# Altium PCB PowerBoard.PcbDoc (part 3 of 4) (continued)
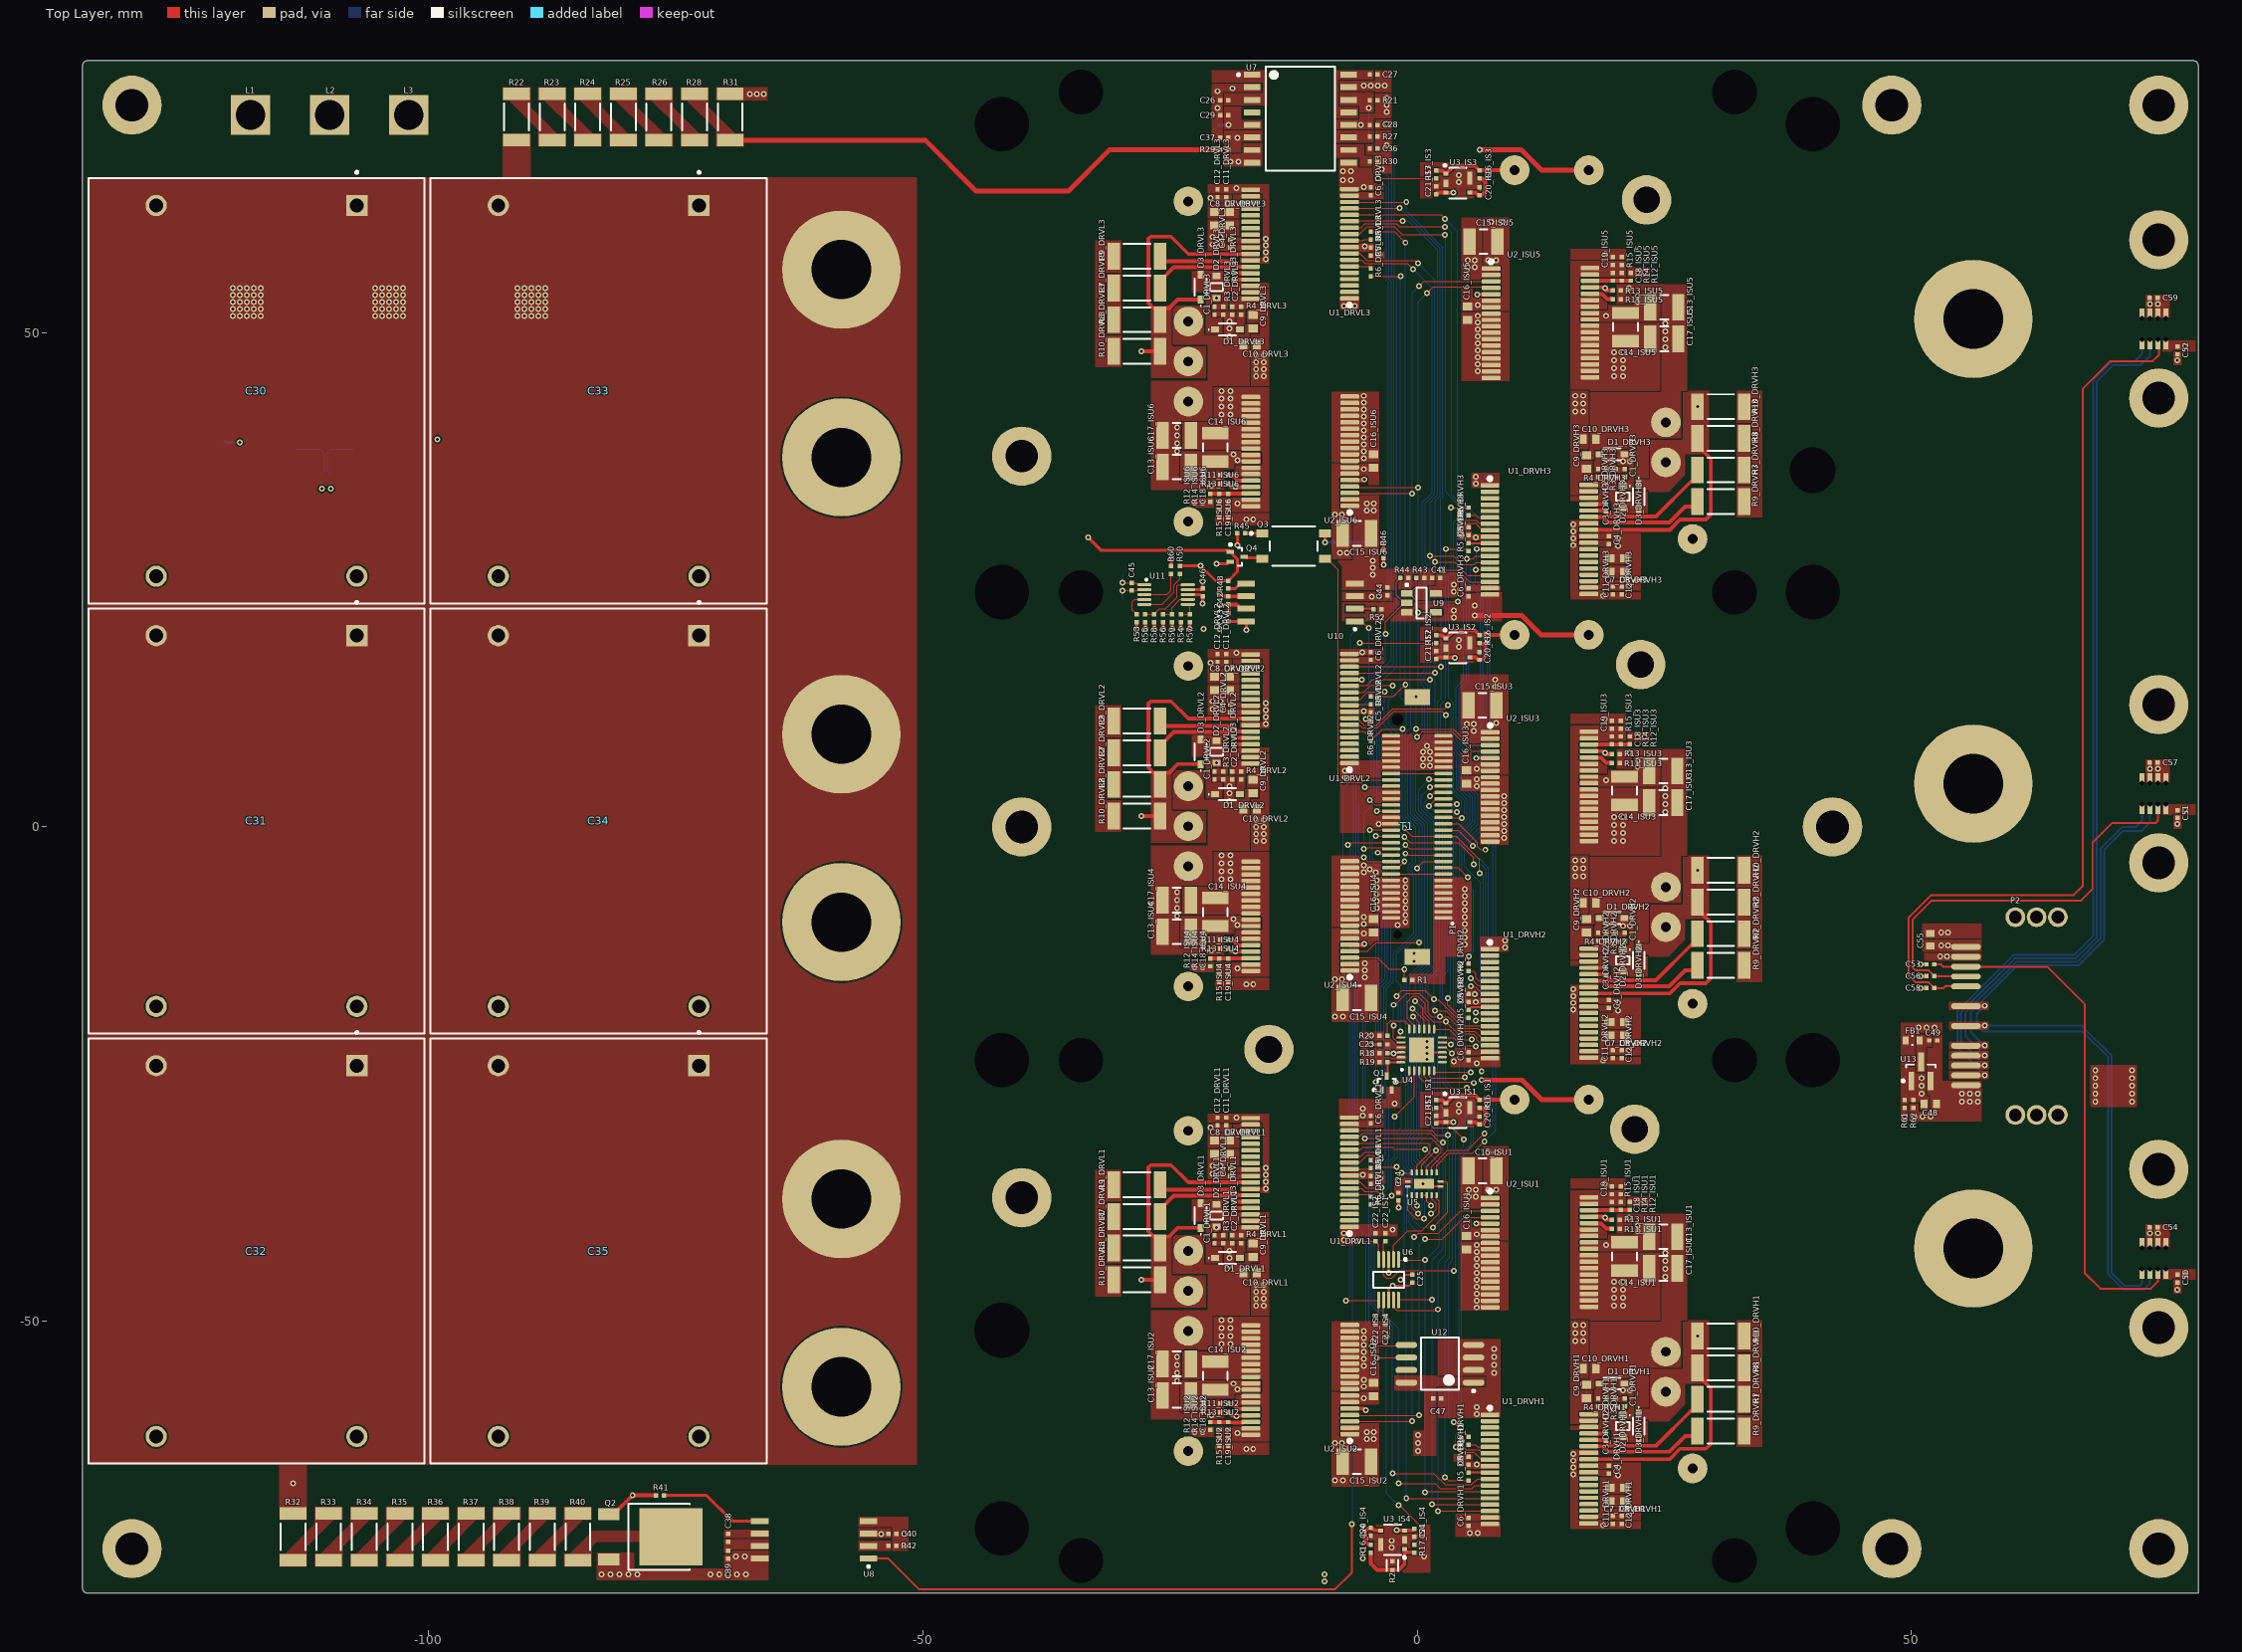
[diagram p0: Top Layer view]
## Nets (pads, with @x,y where several pads share a name; then routed paths per layer and width w, separated by ;. In a path a pad name is that pad's centre, name@x,y a point inside that pad or via, vN(x,y) a via of type N, cw(c..) or ccw(c..) an arc to the next point about the centre after c; other vN are vias at no path point) (continued)
  Bottom Layer w0.12: v1(2.8,60.7) 2.9,60.7 3.5,60.1 3.5,33.603 5.3,31.803 5.3,28.8 v1(6,28.1) 6,26.9 5.39,26.29 5.39,24.81 6.67,23.53 6.67,8.712 7.32,8.062 7.32,-1.858 6.9,-2.278 v1(6.9,-2.3)
RCT_DELAY: R56.1 R59.2 U11.7 | length 3.5
  Top Layer w0.12: R56.1@-25.7,21.5 R59.2@-24.8,21.5 -24.8,22.175 -23.975,23 U11.7@-23.2,23
RCT_HYS: R55.1 R58.2 U11.10 | length 6.2
  Top Layer w0.12: R55.1@-27.5,21.5 R58.2@-26.6,21.5 -26.05,22.05 -25.45,22.05 -24.3,23.2 -24.3,24.4 -24.2,24.5 U11.10@-23.2,24.5
RCT_LATCH: R54.1 R57.2 U11.6 | length 2.1
  Top Layer w0.12: R54.1@-23.9,21.5 R57.2@-23,21.5 -23,22.5 U11.6@-23.2,22.5
RECT_VDDH: C42.1 RFVH.1 U10.6 | length 2.8
  Top Layer w0.4: v1(-20,23.6) -19.946,23.6 -19.671,23.325 -19.09,23.325 -19.082,23.317 -17.353,23.317 -17.335,23.3 U10.6@-17.3,23.335
RECT_VDDM: C42.2 C43.1 C46.1 R45.1 R53.1 R54.2 R55.2 R56.2 RFVM.1 U10.7 U11.9 | length 10.1
  Top Layer w0.3: v1(-28.4,20) R53.1@-28.4,20.7 ; v1(-27.5,20) R55.2@-27.5,20.7 ; v1(-25.7,20) R56.2@-25.7,20.7 ; v1(-23.9,20) R54.2@-23.9,20.7 ; U11.9@-23.2,24 -21.8,24 C46.1@-21.7,24.1 v1(-21.7,24.8) ; v1(-20,22.5) C42.2@-19.1,22.5 ; v1(-18.2,28.5) R45.1@-18.2,29.7
  Top Layer w0.4: C43.1@-19.1,21.6 C42.2@-19.1,22.5 -18.275,22.5 -18,22.225 -18,22.165 -17.9,22.065 U10.7@-17.3,22.065
  other v1: -21.6,20
RECT_VSSS: C43.2 C46.2 D7.3 D8.3 D9.3 Q4.2 R47.2 R49.2 R57.1 R58.1 R59.1 R60.2 RFVS.1 U10.8 U11.8 | length 90
  Top Layer w0.3: v1(-26.6,20) R58.1@-26.6,20.7 ; R60.2@-24.9,26.4 v1(-24.9,27.1) ; v1(-24.8,20) R59.1@-24.8,20.7 ; U11.8@-23.2,23.5 -21.9,23.5 C46.2@-21.7,23.3 v1(-21.7,22.6) ; v1(-23,20) R57.1@-23,20.7 ; v1(-20.3,26.6) -20.275,26.625 -19.175,26.625 Q4.2@-19.15,26.65 ; C43.2@-19.1,20.8 -19.098,20.797 -17.302,20.797 U10.8@-17.3,20.795 v1(-17.3,19.9)
  GND w0.4: v1(-99.1,39.2) -73.9,39.2 -65,30.3 -31.8,30.3 -28.762,27.262 -28.262,27.262 -28.1,27.1
  Bottom Layer w0.12: R49.2@-109.9,35.7 -110.2,36 -110.2,37.8 -109.8,38.2 R47.2@-107.6,38.2
  other v1: -20,20
SPI_ADC.MISO: P1.17 U1_DRVH1.16 U1_DRVH2.16 U1_DRVH3.16 U1_DRVL1.16 U1_DRVL2.16 U1_DRVL3.16 U4.17 U6.9 | length 194.5
  Top Layer w0.12: U1_DRVL1.16@-6.85,-30.7 -6.83,-30.68 1.451,-30.68 1.941,-31.17 v1(3.1,-31.17) ; U1_DRVL2.16@-6.85,16.2 v1@2.4,16.2 ; U1_DRVL3.16@-6.85,63.2 v1@-1.1,63.2 ; U6.9@-2.4,-47.85 -2.4,-48.559 -2.049,-48.91 v1@1.86,-48.91 ; U4.17@-0.3,-20.45 -0.3,-20.12 -0.553,-19.867 -0.553,-19.865 -1.01,-19.408 -1.01,-17.674 -0.426,-17.09 0.011,-17.09 0.82,-17.899 0.82,-18.923 1.377,-19.48 1.38,-19.48 1.61,-19.71 2.89,-19.71 v1(2.9,-19.7) 4.12,-20.92 5.641,-20.92 6.045,-21.324 6.045,-21.551 6.379,-21.885 6.382,-21.885 6.597,-22.1 U1_DRVH2.16@7.35,-22.1 ; v1@2.1,-69.2 U1_DRVH1.16@7.35,-69.2 ; v1(2.4,26) 4.1,26 5.3,24.8 U1_DRVH3.16@7.35,24.8 ; P1.17@2.65,0.953 3.463,0.865 3.463,0.951 3.487,0.926 4.474,0.926 v1(4.5,0.9)
  Bottom Layer w0.12: v1(-1.1,63.2) -1.1,62.3 2.59,58.61 2.59,33.363 2.39,33.163 2.39,26.046 2.436,26 2.4,25.964 v1(2.4,16.2) 2.4,13 2.08,12.68 2.08,8.711 3.69,7.101 3.69,3.764 4.78,2.674 4.78,1.299 4.5,1.019 v1(4.5,0.9) 3.12,-0.48 3.12,-14.531 2.58,-15.071 2.58,-17.58 2.9,-17.9 v1(2.9,-19.7) 2.9,-19.83 2.9,-21.3 2.62,-21.58 2.62,-25.92 3.1,-26.4 v1(3.1,-31.17) 3.1,-31.679 3.11,-31.689 3.11,-32.111 3.1,-32.121 3.1,-32.709 2.9,-32.909 2.9,-43.2 2.1,-44 v1(2.1,-48.8) ; v1(2.1,-69.2) 2.117,-69.183 v1@2.117,-48.8
SPI_ADC.MOSI: P1.18 U1_DRVH1.15 U1_DRVH2.15 U1_DRVH3.15 U1_DRVL1.15 U1_DRVL2.15 U1_DRVL3.15 U4.20 U6.10 | length 193.3
  Top Layer w0.12: U1_DRVL1.15@-6.85,-31.35 -6.717,-31.217 -5.738,-31.217 -5.511,-30.99 1.379,-30.99 2.225,-31.836 2.536,-31.836 v1(2.6,-31.9) ; U1_DRVL2.15@-6.85,15.55 1.75,15.55 v1(1.8,15.6) ; U1_DRVL3.15@-6.85,62.55 -6.825,62.575 -1.825,62.575 v1(-1.8,62.6) ; v1(-2.4,-20.1) -2.422,-20.122 -2.422,-21.358 -1.98,-21.8 U4.20@-1.65,-21.8 ; v1(-2.4,-18) -2.279,-18 -1.099,-16.82 0.22,-16.82 1.09,-17.69 1.09,-18.811 1.489,-19.21 2.29,-19.21 2.31,-19.19 3.111,-19.19 4.571,-20.65 5.794,-20.65 6.328,-21.184 6.512,-21.338 U1_DRVH2.15@7.35,-21.45 ; U6.10@-1.9,-47.85 -1.85,-47.8 v1(1.5,-47.8) ; v1(1.492,-68.508) 1.513,-68.529 7.329,-68.529 U1_DRVH1.15@7.35,-68.55 ; v1(1.8,26.8) 3.757,26.8 5.107,25.45 U1_DRVH3.15@7.35,25.45 ; P1.18@2.65,1.587 2.694,1.544 3.956,1.544 v1(4,1.5)
  Bottom Layer w0.12: v1(-2.4,-20.1) v1(-2.4,-18) ; v1(-1.8,62.6) 2.32,58.48 2.32,33.474 1.81,32.964 1.81,26.81 v1(1.8,26.8) v1(1.8,15.6) 1.81,15.59 1.81,8.599 3.42,6.989 3.42,3.653 4.51,2.563 4.51,2.01 v1(4,1.5) 2.85,0.35 2.85,-14.42 2.31,-14.96 2.31,-19.19 v1(2.3,-19.2) 2.32,-19.22 2.32,-26.513 2.59,-26.783 2.59,-31.89 v1(2.6,-31.9) 2.6,-42.7 1.5,-43.8 v1(1.5,-47.8) 1.5,-68.29 1.492,-68.298 v1(1.492,-68.508)
SPI_ADC.nCS: U5.7 U6.2 | length 9.3
  Top Layer w0.12: U6.2@-2.4,-43.75 -2.4,-42.3 -0.93,-40.83 0.47,-40.83 2.2,-39.1 2.2,-37.9 1.951,-37.651 1.951,-37.251 U5.7@1.95,-37.25
SPI_ADC.SCK: P1.19 U1_DRVH1.13 U1_DRVH2.13 U1_DRVH3.13 U1_DRVL1.13 U1_DRVL2.13 U1_DRVL3.13 U4.19 U6.1 | length 189.2
  Top Layer w0.12: U1_DRVL1.13@-6.85,-32.65 -5.75,-32.65 -5.47,-32.37 -2.515,-32.37 -2.285,-32.6 v1(0.8,-32.6) ; U1_DRVL2.13@-6.85,14.25 -6.791,14.31 -5.101,14.31 -4.501,14.91 1.29,14.91 v1(1.3,14.9) ; U1_DRVL3.13@-6.85,61.25 -6.8,61.3 v1(-1.5,61.3) ; v1(-2.1,-17.1) -1.55,-16.55 0.823,-16.55 1.75,-17.477 2.177,-17.477 4.81,-20.11 7.31,-20.11 U1_DRVH2.13@7.35,-20.15 ; U6.1@-1.9,-43.75 -1.85,-43.8 v1(0.8,-43.8) ; v1(-1.7,-20.7) -1.7,-21.25 U4.19@-1.65,-21.3 ; v1(0.8,-67.3) 0.875,-67.225 7.325,-67.225 U1_DRVH1.13@7.35,-67.25 ; v1(1.3,27.4) 3.7,27.4 4.56,26.54 5.719,26.54 5.929,26.75 U1_DRVH3.13@7.35,26.75 ; P1.19@2.65,2.222 2.689,2.261 3.961,2.261 v1(4,2.3)
  Bottom Layer w0.12: v1(-2.1,-17.1) v1(-2.1,-17.1) -2.099,-17.58 -1.89,-17.789 -1.89,-19.628 -1.7,-19.818 v1(-1.7,-20.7) ; v1(-1.5,61.3) -0.9,61.3 2.05,58.35 2.05,33.586 1.3,32.836 v1(1.3,27.4) 1.29,27.39 1.29,15.389 1.3,15.379 v1(1.3,14.9) 1.31,14.89 1.31,8.717 3.15,6.877 3.15,3.15 v1(4,2.3) 2.58,0.88 2.58,-14.308 1.697,-15.19 v1(1.697,-17.424) ; v1(0.8,-67.3) v1(0.8,-43.8) 2.2,-42.4 2.2,-34 v1(0.8,-32.6) 1.78,-31.62 1.78,-21.377 1.19,-20.787 1.19,-18.489 1.697,-17.981 v1@1.697,-17.488
SPI_IO.nCS: U4.16 U5.9 | length 30.8
  Top Layer w0.12: v1(-0.408,-19.182) 0.2,-19.79 U4.16@0.2,-20.45 ; v1(1.6,-40.5) 3.1,-39 3.1,-36 2.95,-35.85 U5.9@2.35,-35.85
  Bottom Layer w0.12: v1(-0.408,-19.182) -0.326,-19.265 -0.326,-30.894 -0.83,-31.398 -0.83,-34.185 -0.51,-34.505 -0.51,-39.69 0.3,-40.5 v1(1.6,-40.5)
SPI_UH.nCS: U1_DRVH1.14 U5.15 | length 42.6
  Top Layer w0.12: v1(-1.6,-35) -0.6,-35 U5.15@-0.55,-34.95 ; v1(-1.1,-67.9) U1_DRVH1.14@7.35,-67.9
  Bottom Layer w0.12: v1(-1.6,-35) -1.6,-35.119 -1.32,-35.399 -1.32,-45.459 -1.1,-45.679 v1(-1.1,-67.9)
SPI_UL.nCS: U1_DRVL1.14 U5.14 | length 11.5
  Top Layer w0.12: U1_DRVL1.14@-6.85,-32 -6.013,-32.01 1.11,-32.01 1.31,-32.21 1.31,-32.908 -0.05,-34.268 U5.14@-0.05,-34.95
SPI_VH.nCS: U1_DRVH2.14 U5.13 | length 23.6
  Top Layer w0.12: U5.13@0.45,-34.95 0.45,-34.153 0.711,-33.892 0.711,-33.889 1.01,-33.59 1.013,-33.59 1.9,-32.703 v1(1.9,-32.7) ; v1(1.8,-18.6) 2.903,-18.6 4.683,-20.38 6.153,-20.38 6.187,-20.411 6.379,-20.585 6.512,-20.688 U1_DRVH2.14@7.35,-20.8
  Bottom Layer w0.12: v1(1.8,-18.6) 1.76,-18.64 1.76,-20.975 2.05,-21.265 2.05,-31.732 1.9,-31.882 v1(1.9,-32.7)
SPI_VL.nCS: U1_DRVL2.14 U5.12 | length 59.4
  Top Layer w0.12: U1_DRVL2.14@-6.85,14.9 v1(-5.6,14.9) ; v1(-5.3,-31.5) 1.421,-31.5 2.41,-32.489 2.41,-32.911 0.95,-34.371 U5.12@0.95,-34.95
  Bottom Layer w0.12: v1(-5.6,14.9) -5.6,14.841 -6.18,14.261 -6.18,-10.741 -6.01,-10.911 -6.01,-30.79 v1(-5.3,-31.5)
SPI_WH.nCS: U1_DRVH3.14 U5.11 | length 66.9
  Top Layer w0.12: U5.11@1.45,-34.95 1.45,-34.35 3.1,-32.7 5.1,-32.7 v1(6.8,-31) ; v1(5.9,26) 5.95,26.05 7.3,26.05 U1_DRVH3.14@7.35,26.1
  Bottom Layer w0.12: v1(5.9,26) 5.9,24.9 7.1,23.7 7.1,8.664 7.65,8.114 7.65,-30.15 v1(6.8,-31)
SPI_WL.nCS: U1_DRVL3.14 U5.10 | length 112.3
  Top Layer w0.12: U1_DRVL3.14@-6.85,61.9 2.437,61.9 2.8,61.537 v1(2.8,61.5) ; U5.10@1.95,-34.95 1.95,-34.25 3.179,-33.021 5.579,-33.021 v1(6.8,-31.8)
  Bottom Layer w0.12: v1(2.8,61.5) 4.1,60.2 4.1,33.4 7.37,30.13 7.37,8.776 7.94,8.206 7.94,-30.66 v1(6.8,-31.8)
U_nFLT1_H: U1_DRVH1.7 U4.4 | length 46.2
  Top Layer w0.12: U4.4@0.7,-24.65 0.7,-25.225 1.287,-25.812 5.612,-25.812 v1(5.7,-25.9) ; v1(4.5,-62.1) 4.533,-62.133 4.533,-62.58 4.948,-62.995 6.239,-62.995 6.429,-63.185 6.432,-63.185 6.597,-63.35 U1_DRVH1.7@7.35,-63.35
  Bottom Layer w0.12: v1(4.5,-62.1) 4.5,-33.4 5.7,-32.2 v1(5.7,-25.9)
U_nFLT1_L: U1_DRVL1.7 U4.2 | length 17.6
  Top Layer w0.12: U1_DRVL1.7@-6.85,-36.55 -5.65,-36.55 -5.321,-36.879 -4.021,-36.879 v1(-3.6,-37.3) ; v1(-2.3,-29.3) -0.3,-27.3 U4.2@-0.3,-24.65
  Bottom Layer w0.12: v1(-3.6,-37.3) -3.6,-37.221 -2.9,-36.521 -2.9,-33.926 -2.3,-33.326 v1(-2.3,-29.3)
U_nFLT2_H: U1_DRVH1.8 U4.3 | length 47
  Top Layer w0.12: U4.3@0.2,-24.65 0.2,-25.3 1.315,-26.415 1.414,-26.415 4.985,-26.415 v1(5,-26.4) ; v1(3.9,-62.7) 4.465,-63.265 5.765,-63.265 6.368,-63.868 7.217,-63.868 U1_DRVH1.8@7.35,-64
  Bottom Layer w0.12: v1(3.9,-62.7) 3.9,-61.5 4.22,-61.18 4.22,-33.28 5.43,-32.07 5.43,-26.83 v1(5,-26.4)
U_nFLT2_L: U1_DRVL1.8 U4.1 | length 17.1
  Top Layer w0.12: U1_DRVL1.8@-6.85,-35.9 -6.84,-35.91 -5.79,-35.91 -5.165,-36.535 -3.635,-36.535 v1(-3.6,-36.5) ; v1(-2.2,-25.8) -1.2,-25.8 -0.8,-25.4 U4.1@-0.8,-24.65
  Bottom Layer w0.12: v1(-3.6,-36.5) -3.6,-36.39 -3.2,-35.99 -3.2,-33.844 -2.87,-33.514 -2.87,-26.47 v1(-2.2,-25.8)
V_nFLT1_H: U1_DRVH2.7 U4.5 | length 17
  Top Layer w0.12: U4.5@1.2,-24.65 1.2,-25.2 1.4,-25.4 4.49,-25.4 4.498,-25.392 4.708,-25.392 v1(4.8,-25.3) ; v1(5.4,-15.3) 6.135,-16.035 6.382,-16.035 6.464,-16.118 7.217,-16.118 U1_DRVH2.7@7.35,-16.25
  Bottom Layer w0.12: v1(4.8,-25.3) 4.8,-22.503 4.579,-22.282 4.579,-16.121 v1(5.4,-15.3)
V_nFLT1_L: U1_DRVL2.7 U4.11 | length 46.8
  Top Layer w0.12: U1_DRVL2.7@-6.85,10.35 -6.717,10.218 -5.721,10.218 -5.523,10.02 -4.003,10.02 -2.336,11.687 2.513,11.687 v1(2.9,11.3) ; U4.11@2.55,-21.8 2.573,-21.823 3.093,-21.823 3.27,-22 v1(3.4,-22)
  Bottom Layer w0.12: v1(2.9,11.3) 2.9,8.654 4.23,7.324 4.23,4.006 4.68,3.556 4.68,3.553 5.32,2.913 5.32,0.617 3.68,-1.023 3.68,-21.701 3.4,-21.981 v1(3.4,-22)
V_nFLT2_H: U1_DRVH2.8 U4.6 | length 15.2
  Top Layer w0.12: U4.6@1.7,-24.65 1.7,-24.735 1.755,-24.79 5.39,-24.79 v1(5.4,-24.8) ; v1(5.4,-16.1) 5.486,-16.186 5.88,-16.186 6.379,-16.685 6.382,-16.685 6.464,-16.768 7.217,-16.768 U1_DRVH2.8@7.35,-16.9
  Bottom Layer w0.12: v1(5.4,-24.8) 5.4,-22.721 4.9,-22.221 4.9,-16.6 v1(5.4,-16.1)
V_nFLT2_L: U1_DRVL2.8 U4.10 | length 49.4
  Top Layer w0.12: U1_DRVL2.8@-6.85,11 -6.105,11 -5.89,10.785 -5.879,10.785 -5.561,10.468 -5.384,10.29 -4.129,10.29 -2.462,11.957 2.757,11.957 v1(3.1,12.3) ; U4.10@2.55,-22.3 2.89,-22.3 3.49,-22.9 v1(3.5,-22.9)
  Bottom Layer w0.12: v1(3.1,12.3) 3.1,12.241 3.41,11.931 3.41,8.526 4.5,7.436 4.5,4.118 4.95,3.668 4.95,3.665 5.565,3.05 5.568,3.05 5.59,3.028 5.59,0.505 3.95,-1.135 3.95,-22.45 v1(3.5,-22.9)
W_nFLT1_H: U1_DRVH3.7 U4.13 | length 64.7
  Top Layer w0.12: U4.13@1.7,-20.45 3.25,-20.45 4.3,-21.5 v1(5.5,-21.5) ; v1(4.3,31.4) 4.67,31.03 5.973,31.03 6.221,30.782 6.472,30.782 6.605,30.65 U1_DRVH3.7@7.35,30.65
  Bottom Layer w0.12: v1(4.3,31.4) 3.7,30.8 3.7,25.3 4.98,24.02 4.98,14.749 4.22,13.989 4.22,9.438 6.51,7.148 6.51,0.113 4.8,-1.597 4.8,-4 6.41,-5.61 6.41,-17.911 6.031,-18.29 5.689,-18.29 5.273,-18.706 5.273,-21.19 5.5,-21.417 v1(5.5,-21.5)
W_nFLT1_L: U1_DRVL3.7 U4.15 | length 87.5
  Top Layer w0.12: U1_DRVL3.7@-6.85,57.35 -5.65,57.35 -5.3,57 -1,57 v1(-0.4,56.4) ; v1(-0.469,-18.4) 0.7,-19.569 U4.15@0.7,-20.45
  Bottom Layer w0.12: v1(-0.469,-18.4) -0.469,-18.303 -0.76,-18.012 -0.76,-15.357 0.78,-13.817 0.78,0.229 -0.39,1.399 -0.39,7.989 0.77,9.149 0.77,14.03 0.4,14.4 0.4,15.5 0.7,15.8 0.7,26.37 0.52,26.55 0.52,32.82 1.51,33.81 1.51,54.49 v1(-0.4,56.4)
W_nFLT2_H: U1_DRVH3.8 U4.12 | length 64.3
  Top Layer w0.12: U4.12@2.55,-21.3 3.7,-21.3 4.55,-22.15 5.85,-22.15 v1(5.9,-22.2) ; v1(4.3,30.6) 4.43,30.6 4.565,30.735 5.886,30.735 6.21,30.411 6.21,30.384 6.379,30.215 6.382,30.215 6.597,30 U1_DRVH3.8@7.35,30
  Bottom Layer w0.12: v1(4.3,30.6) 4.3,30.541 3.99,30.231 3.99,25.392 5.25,24.132 5.25,14.637 4.49,13.877 4.49,9.61 6.78,7.32 6.78,0.001 5.09,-1.689 5.09,-2.49 5.69,-3.09 6.172,-3.09 7.22,-4.138 7.22,-20.88 v1(5.9,-22.2)
W_nFLT2_L: U1_DRVL3.8 U4.14 | length 88.4
  Top Layer w0.12: U1_DRVL3.8@-6.85,58 -6.84,57.99 -5.79,57.99 -5.1,57.3 -0.2,57.3 v1(0.1,57) ; v1(-0.2,-17.6) 0.55,-18.35 0.55,-19.037 1.2,-19.687 U4.14@1.2,-20.45
  Bottom Layer w0.12: v1(-0.2,-17.6) -0.2,-15.179 1.05,-13.929 1.05,0.341 -0.12,1.511 -0.12,7.877 1.04,9.037 1.04,14.26 0.7,14.6 0.7,15.3 1.02,15.62 1.02,26.581 0.79,26.811 0.79,32.708 1.78,33.698 1.78,55.32 v1(0.1,57)
pads on no net: P1.0 T1.D1.2 T1.D3.2 T1.D5.2 T1.M T1.U T1.V T1.W U1_DRVH1.2 U1_DRVH1.3 U1_DRVH1.4 U1_DRVH1.5 U1_DRVH1.21 U1_DRVH1.22 U1_DRVH1.23 U1_DRVH1.24 U1_DRVH1.25 U1_DRVH1.26 U1_DRVH2.2 U1_DRVH2.3 U1_DRVH2.4 U1_DRVH2.5 U1_DRVH2.21 U1_DRVH2.22 U1_DRVH2.23 U1_DRVH2.24 U1_DRVH2.25 U1_DRVH2.26 U1_DRVH3.2 U1_DRVH3.3 U1_DRVH3.4 U1_DRVH3.5 U1_DRVH3.21 U1_DRVH3.22 U1_DRVH3.23 U1_DRVH3.24 U1_DRVH3.25 U1_DRVH3.26 U1_DRVL1.2 U1_DRVL1.3 U1_DRVL1.4 U1_DRVL1.5 U1_DRVL1.21 U1_DRVL1.22 U1_DRVL1.23 U1_DRVL1.24 U1_DRVL1.25 U1_DRVL1.26 U1_DRVL2.2 U1_DRVL2.3 U1_DRVL2.4 U1_DRVL2.5 U1_DRVL2.21 U1_DRVL2.22 U1_DRVL2.23 U1_DRVL2.24 U1_DRVL2.25 U1_DRVL2.26 U1_DRVL3.2 U1_DRVL3.3 U1_DRVL3.4 U1_DRVL3.5 U1_DRVL3.21 U1_DRVL3.22 U1_DRVL3.23 U1_DRVL3.24 U1_DRVL3.25 U1_DRVL3.26 U7.4 U12.7

## Polygon pours and split planes (outlines as drawn)
+3V3 on Top Layer "NONET_L01_P-001" (solid, pour order 278): -1.1,-21.2 -2.8,-21.2 -3.3,-20.7 -5.7,-20.7 -5.7,-24.1 -1.1,-24.1
GND on Top Layer "NONET_L01_P-001" (solid, pour order 221): -2.9,-50 -2.9,-52.2 -3.85,-52.2 -3.85,-66.7 -8.65,-66.7 -8.65,-50
+24V on Top Layer "Top Layer-No Net 2" (solid, pour order 114): -8.65,-57.15 -8.65,-66.7 -6.65,-66.7 -6.65,-61.65 -7.85,-61.65 -7.85,-58.4 -3.85,-58.4 -3.85,-57.15
CSREF on Top Layer "NONET_L01_P-001" (solid, pour order 501): 68.1,-24.1 72.8,-24.1 72.8,-28.3 68.1,-28.3
CSREF on Top Layer "NONET_L01_P-001" (solid, pour order 480): 75.4,-44.7 78.7,-44.7 78.7,-45.8 75.4,-45.8
CSREF on Top Layer "NONET_L01_P-001" (solid, pour order 479): 75.4,2.3 78.7,2.3 78.7,1.2 75.4,1.2
CSREF on Top Layer "NONET_L01_P-001" (solid, pour order 478): 75.4,49.2 78.7,49.2 78.7,48.1 75.4,48.1
CSVDD on Top Layer "NONET_L01_P-001" (solid, pour order 474): 74.5,6.8 76.1,6.8 76.1,4.5 74.5,4.5
CSVDD on Top Layer "NONET_L01_P-001" (solid, pour order 472): 74.5,-40.2 76.1,-40.2 76.1,-42.5 74.5,-42.5
CSVDD on Top Layer "NONET_L01_P-001" (solid, pour order 476): 74.5,53.8 76.1,53.8 76.1,51.5 74.5,51.5
nFW2 on Top Layer "NONET_L01_P-001" (solid, pour order 495): 53.8,-24.7 57.8,-24.7 57.8,-25.5 53.8,-25.5
nFW1 on Top Layer "NONET_L01_P-001" (solid, pour order 494): 53.8,-23.7 57.8,-23.7 57.8,-24.5 53.8,-24.5
nFV2 on Top Layer "NONET_L01_P-001" (solid, pour order 493): 53.8,-22.7 57.8,-22.7 57.8,-23.5 53.8,-23.5
nFV1 on Top Layer "NONET_L01_P-001" (solid, pour order 492): 53.8,-21.7 57.8,-21.7 57.8,-22.5 53.8,-22.5
nFU2 on Top Layer "NONET_L01_P-001" (solid, pour order 491): 53.8,-19.7 57.8,-19.7 57.8,-20.5 53.8,-20.5
nFU1 on Top Layer "NONET_L01_P-001" (solid, pour order 490): 53.8,-17.7 57.8,-17.7 57.8,-18.5 53.8,-18.5
NetP2_1 on Top Layer "NONET_L01_P-001" (solid, pour order 489): 57.1,-12.6 51.28,-12.6 51.28,-13.5 57.1,-13.5
NetP2_1 on Top Layer "NONET_L01_P-001" (solid, pour order 487): 48.9,-28 49.8,-28 49.8,-29.8 48.9,-29.8
CSVDD on Top Layer "NONET_L01_P-001" (solid, pour order 486): 50.5,-21 53.1,-21 53.1,-19.8 48.9,-19.8 48.9,-24.3 50.5,-24.3
CSREF on Top Layer "NONET_L01_P-001" (solid, pour order 485): 51.9,-28.8 50.7,-28.8 50.7,-28 48.9,-28 48.9,-24.3 50.5,-24.3 50.5,-24.8 51.6,-24.8 51.6,-27.1 51.9,-27.1
NetC49_2 on Top Layer "NONET_L01_P-001" (solid, pour order 484): 51.6,-24.8 51.6,-22.4 52.2,-22.4 52.2,-21 50.5,-21 50.5,-24.8
CSGND on Top Layer "NONET_L01_P-001" (solid, pour order 483): 51.9,-28.8 50.7,-28.8 50.7,-28 49.8,-28 49.8,-29.8 57.1,-29.8 57.1,-25.7 53.1,-25.7 53.1,-21 52.2,-21 52.2,-22.4 51.6,-22.4 51.6,-27.1 51.9,-27.1
CSGND on Top Layer "NONET_L01_P-001" (solid, pour order 482): 51.1,-11.4 51.1,-9.8 57.1,-9.8 57.1,-11.4
CSVDD on Top Layer "NONET_L01_P-001" (solid, pour order 481): 57.1,-12.6 51.1,-12.6 51.1,-11.4 57.1,-11.4
CSGND on Top Layer "NONET_L01_P-001" (solid, pour order 477): 73.7,53.8 74.5,53.8 74.5,51.5 73.7,51.5
CSGND on Top Layer "NONET_L01_P-001" (solid, pour order 475): 73.7,6.8 74.5,6.8 74.5,4.5 73.7,4.5
CSGND on Top Layer "NONET_L01_P-001" (solid, pour order 473): 73.7,-40.2 74.5,-40.2 74.5,-42.5 73.7,-42.5
CSGND on Top Layer "NONET_L01_P-001" (solid, pour order 471): 76.5,-45.8 77.3,-45.8 77.3,-47.2 76.5,-47.2
CSGND on Top Layer "NONET_L01_P-001" (solid, pour order 470): 76.5,1.2 77.3,1.2 77.3,-0.2 76.5,-0.2
CSGND on Top Layer "NONET_L01_P-001" (solid, pour order 469): 76.5,48.1 77.3,48.1 77.3,46.7 76.5,46.7
P on Top Layer "NONET_L01_P-001" (solid, pour order 276): -115.1,-70.1 -115.1,-64.5 -134.5,-64.5 -134.5,65.7 -92.5,65.7 -92.5,70.1 -89.7,70.1 -89.7,65.7 -50.6,65.7 -50.6,-64.5 -112.3,-64.5 -112.3,-70.1
GND on Top Layer "Top Layer-GND 1" (solid, pour order 284): -7.8,-0.6 -1.7,-0.6 -1.7,5.668 -1.732,5.7 3.6,5.7 3.6,9.4 -3.6,9.4 -3.6,6.7 -7.8,6.7
GND on Top Layer "Top Layer-GND" (solid, pour order 286): -5.225,20.825 8.575,20.825 8.575,24.125 5.075,24.125 5.075,26.075 -5.225,26.075
DRV_VEE_DRVH1 on Top Layer "NONET_L01_P-001" (solid, pour order 339): 16.5,-70.1 16.5,-63.6 18.4,-63.6 18.4,-63 15.5,-63 15.5,-71 22.6,-71 22.6,-70.1
GND on Top Layer "NONET_L01_P-001" (solid, pour order 274): 0.3,20.2 0.3,16.6 6.721,16.6 6.721,20.2
GND on Top Layer "NONET_L01_P-001" (solid, pour order 293): 5.6,-64.2 5.6,-63.4 3.7,-63.4 3.7,-64.2
GND on Top Layer "NONET_L01_P-001" (solid, pour order 219): -7.6,20.8 -7.6,26.356 -8.65,27.406 -8.65,44 -3.85,44 -3.85,20.8
+24V on Top Layer "Top Layer-No Net 3" (solid, pour order 113): -8.65,36.75 -8.65,27.1 -6.65,27.1 -6.65,32.25 -7.85,32.25 -7.85,35.45 -4.95,35.45 -4.95,34.55 -3.85,34.55 -3.85,36.75
+3V3 on Top Layer "NONET_L01_P-001" (solid, pour order 86): -7.6,23.785 -2.5,23.785 -2.5,22.885 -7.6,22.885
+3V3 on Top Layer "NONET_L01_P-001" (solid, pour order 466): 1.9,-55.5 7,-55.5 7,-56.7 1.9,-56.7 1.9,-63.6 -0.4,-63.6 -0.4,-61.1 0.7,-61.1 0.7,-57 -2.3,-57 -2.3,-55.5
GND on Top Layer "NONET_L01_P-001" (solid, pour order 280): -4.4,65.1 -4.4,67.6 -7.9,67.6 -7.9,65.1 -7.9,64.3 -4.1,64.3 -4.1,65.1
GND on Top Layer "NONET_L01_P-001" (solid, pour order 273): 1.3,-75.4 1.3,-70.6 -5.121,-70.6 -5.121,-75.4
+3V3 on Top Layer "NONET_L01_P-001" (solid, pour order 212): -7.8,11.4 -5,11.4 -5,10.8 -4.3,10.8 -4.3,12.2 -5,12.2 -5,11.9 -7.8,11.9
+24V on Top Layer "Top Layer-No Net 1" (solid, pour order 123): 9.2,-41.8 9.2,-32.3 6.7,-32.3 6.7,-37.3 8.4,-37.3 8.4,-40.5 5.5,-40.5 5.5,-39.6 4.4,-39.6 4.4,-41.8
DRV_VDD_DRVL1 on Top Layer "NONET_L01_P-001" (solid, pour order 421): -23,-60.7 -20.5,-60.7 -20.5,-61.7 -23,-61.7
NetD3_DRVL1_1 on Top Layer "NONET_L01_P-001" (solid, pour order 420): -21.4,-45.4 -21.4,-48.6 -26.9,-48.6 -26.9,-41.3 -24.7,-41.3 -24.7,-45.4
DRV_VDD_DRVL2 on Top Layer "NONET_L01_P-001" (solid, pour order 384): -23,-13.7 -20.5,-13.7 -20.5,-14.7 -23,-14.7
NetD3_DRVL2_1 on Top Layer "NONET_L01_P-001" (solid, pour order 383): -21.4,1.6 -21.4,-1.6 -26.9,-1.6 -26.9,5.7 -24.7,5.7 -24.7,1.6
NetD3_DRVH1_1 on Top Layer "NONET_L01_P-001" (solid, pour order 358): 21.9,-58.7 21.9,-60.1 23.3,-60.1 25.4,-60.1 27.1,-58.4 27.1,-56.3 29.1,-56.3 29.5,-55.9 29.5,-49.9 26.7,-49.9 26.7,-54.7 23.4,-54.7 23.4,-58.7
NetD3_DRVH2_1 on Top Layer "NONET_L01_P-001" (solid, pour order 328): 21.9,-11.7 21.9,-13.1 23.3,-13.1 25.4,-13.1 27.1,-11.4 27.1,-9.3 29.1,-9.3 29.5,-8.9 29.5,-2.9 26.7,-2.9 26.7,-7.7 23.4,-7.7 23.4,-11.7
NetD3_DRVL3_1 on Top Layer "NONET_L01_P-001" (solid, pour order 259): -21.4,48.6 -21.4,45.4 -26.9,45.4 -26.9,52.7 -24.7,52.7 -24.7,48.6
NetD3_DRVH3_1 on Top Layer "NONET_L01_P-001" (solid, pour order 258): 21.9,35.3 21.9,33.9 23.3,33.9 25.4,33.9 27.1,35.6 27.1,37.7 29.1,37.7 29.5,38.1 29.5,44.1 26.7,44.1 26.7,39.3 23.4,39.3 23.4,35.3
+24V on Top Layer "Top Layer-No Net 4" (solid, pour order 110): -8.65,-10.25 -8.65,-19.7 -6.65,-19.7 -6.65,-14.75 -7.85,-14.75 -7.85,-11.55 -4.95,-11.55 -4.95,-12.45 -3.85,-12.45 -3.85,-10.25
DRV_COM_DRVH2 on Top Layer "NONET_L01_P-001" (solid, pour order 314): 19 vertices, not listed, extent 16.4,-11.7 26.7,-2.9
DRV_COM_DRVH1 on Top Layer "NONET_L01_P-001" (solid, pour order 337): 19 vertices, not listed, extent 16.4,-58.7 26.7,-49.9
DRV_COM_DRVH3 on Top Layer "NONET_L01_P-001" (solid, pour order 167): 19 vertices, not listed, extent 16.4,35.3 26.7,44.1
DRV_COM_DRVL1 on Top Layer "NONET_L01_P-001" (solid, pour order 419): -21.2,-31 -18.6,-31 -18.6,-29.9 -21.2,-29.9
NetR7_DRVL1_2 on Top Layer "NONET_L01_P-001" (solid, pour order 418): -29.95,-44.3 -31.55,-44.3 -31.55,-37.9 -29.95,-37.9
NetR9_DRVL1_2 on Top Layer "NONET_L01_P-001" (solid, pour order 402): -29.95,-37.9 -29.95,-34.7 -32.55,-34.7 -32.55,-47.5 -29.95,-47.5 -29.95,-44.3 -31.55,-44.3 -31.55,-37.9
DRV_VEE_DRVL1 on Top Layer "NONET_L01_P-001" (solid, pour order 398): -15.825,-57.427 -18.525,-57.427 -18.525,-58.656 -15.825,-58.656 -15.825,-60.7 -20.425,-60.7 -20.425,-62.3 -15,-62.3 -15,-49.4 -20.725,-49.4 -20.725,-52.9 -23.925,-52.9 -23.925,-56 -15.825,-56
IS_FBVEE_ISU2 on Top Layer "NONET_L01_P-001" (solid, pour order 397): -20.425,-62.3 -20.425,-63.5 -15,-63.5 -15,-62.3
DRV_COM_DRVL1 on Top Layer "NONET_L01_P-001" (solid, pour order 396): -23.925,-52.9 -20.725,-52.9 -20.725,-48.9 -26.9,-48.9 -26.9,-59.9 -19.525,-59.9 -19.525,-57.8 -21.225,-57.8 -21.225,-59.1 -23.925,-59.1
DRV_VDD_DRVL1 on Top Layer "NONET_L01_P-001" (solid, pour order 395): -15.825,-56 -23.925,-56 -23.925,-59.1 -21.225,-59.1 -21.225,-57.8 -18.525,-57.8 -18.525,-57.3 -15.825,-57.3
NetC7_DRVL1_1 on Top Layer "NONET_L01_P-001" (solid, pour order 394): -15.6,-29.9 -18.6,-29.9 -18.6,-31 -21.2,-31 -21.2,-32.6 -18,-32.6 -18,-30.5 -15.6,-30.5
DRV_VEE_DRVL1 on Top Layer "NONET_L01_P-001" (solid, pour order 393): -15.6,-29.9 -15.6,-36.4 -17.9,-36.4 -17.9,-37 -15,-37 -15,-29 -21.2,-29 -21.2,-29.9
NetD1_DRVL1_2 on Top Layer "NONET_L01_P-001" (solid, pour order 392): -18.4,-44.15 -17.4,-44.15 -17.4,-41.862 -18.4,-41.862
DRV_COM_DRVL1 on Top Layer "NONET_L01_P-001" (solid, pour order 391): 19 vertices, not listed, extent -24.7,-49.4 -15.9,-41.3
NetD1_DRVL1_1 on Top Layer "NONET_L01_P-001" (solid, pour order 390): -19.7,-39.9 -21.4,-39.9 -21.4,-44.1 -19.7,-44.1 -19.7,-42.5 -20.8,-42.5 -20.8,-41.1 -19.7,-41.1
NetC1_DRVL1_1 on Top Layer "NONET_L01_P-001" (solid, pour order 389): -19.2,-39 -19.2,-37.7 -22.8,-37.7 -22.8,-39.9 -19.7,-39.9 -19.7,-41.1 -20.8,-41.1 -20.8,-41.7 -19,-41.7 -19,-40.382 -18.918,-40.3 -17.8,-40.3 -17.8,-39.6 -15,-39.6 -15,-39
DRV_VDD_DRVL1 on Top Layer "NONET_L01_P-001" (solid, pour order 388): -17.8,-39.6 -15,-39.6 -15,-49.4 -16.8,-49.4 -16.8,-44.2 -15.9,-44.2 -15.9,-43 -17.2,-43 -17.2,-40.9 -15.862,-40.9 -15.862,-40.3 -17.8,-40.3
NetC2_DRVL1_1 on Top Layer "NONET_L01_P-001" (solid, pour order 387): -15.7,-40.3 -19,-40.3 -19,-41.7 -17.2,-41.7 -17.2,-40.9 -15.7,-40.9
NetC4_DRVL1_2 on Top Layer "NONET_L01_P-001" (solid, pour order 386): -19.3,-34.2 -19.3,-35.1 -15.8,-35.1 -15.8,-34.4 -18.2,-34.4 -18.4,-34.2
DRV_COM_DRVL1 on Top Layer "NONET_L01_P-001" (solid, pour order 385): -15.8,-35.1 -19.3,-35.1 -19.3,-34.2 -18,-34.2 -18,-32.6 -21.2,-32.6 -21.2,-35.7 -15.8,-35.7
DRV_COM_DRVL2 on Top Layer "NONET_L01_P-001" (solid, pour order 382): -21.2,16 -18.6,16 -18.6,17.1 -21.2,17.1
NetR7_DRVL2_2 on Top Layer "NONET_L01_P-001" (solid, pour order 381): -29.95,2.7 -31.55,2.7 -31.55,9.1 -29.95,9.1
NetR9_DRVL2_2 on Top Layer "NONET_L01_P-001" (solid, pour order 378): -29.95,9.1 -29.95,12.3 -32.55,12.3 -32.55,-0.5 -29.95,-0.5 -29.95,2.7 -31.55,2.7 -31.55,9.1
DRV_VEE_DRVL2 on Top Layer "NONET_L01_P-001" (solid, pour order 374): -15.825,-10.427 -18.525,-10.427 -18.525,-11.656 -15.825,-11.656 -15.825,-13.7 -20.425,-13.7 -20.425,-15.3 -15,-15.3 -15,-2.4 -20.725,-2.4 -20.725,-5.9 -23.925,-5.9 -23.925,-9 -15.825,-9
IS_FBVEE_ISU4 on Top Layer "NONET_L01_P-001" (solid, pour order 373): -20.425,-15.3 -20.425,-16.5 -15,-16.5 -15,-15.3
DRV_COM_DRVL2 on Top Layer "NONET_L01_P-001" (solid, pour order 372): -23.925,-5.9 -20.725,-5.9 -20.725,-1.9 -26.9,-1.9 -26.9,-12.9 -19.525,-12.9 -19.525,-10.8 -21.225,-10.8 -21.225,-12.1 -23.925,-12.1